# Altium PCB C210_220601.PcbDoc (part 3 of 7)
Units mm, origin at the board's own origin, x right, y up, seen from the top; angles counter-clockwise.
Board outline 68 x 129.5 mm, 6 copper layers (L1, L2, L3, L4, L5, L6), stack 1.64 mm thick; 493 components, 295 nets, 1739 pads, 1829 vias.
Unrouted connection lines stored in the file: 306.
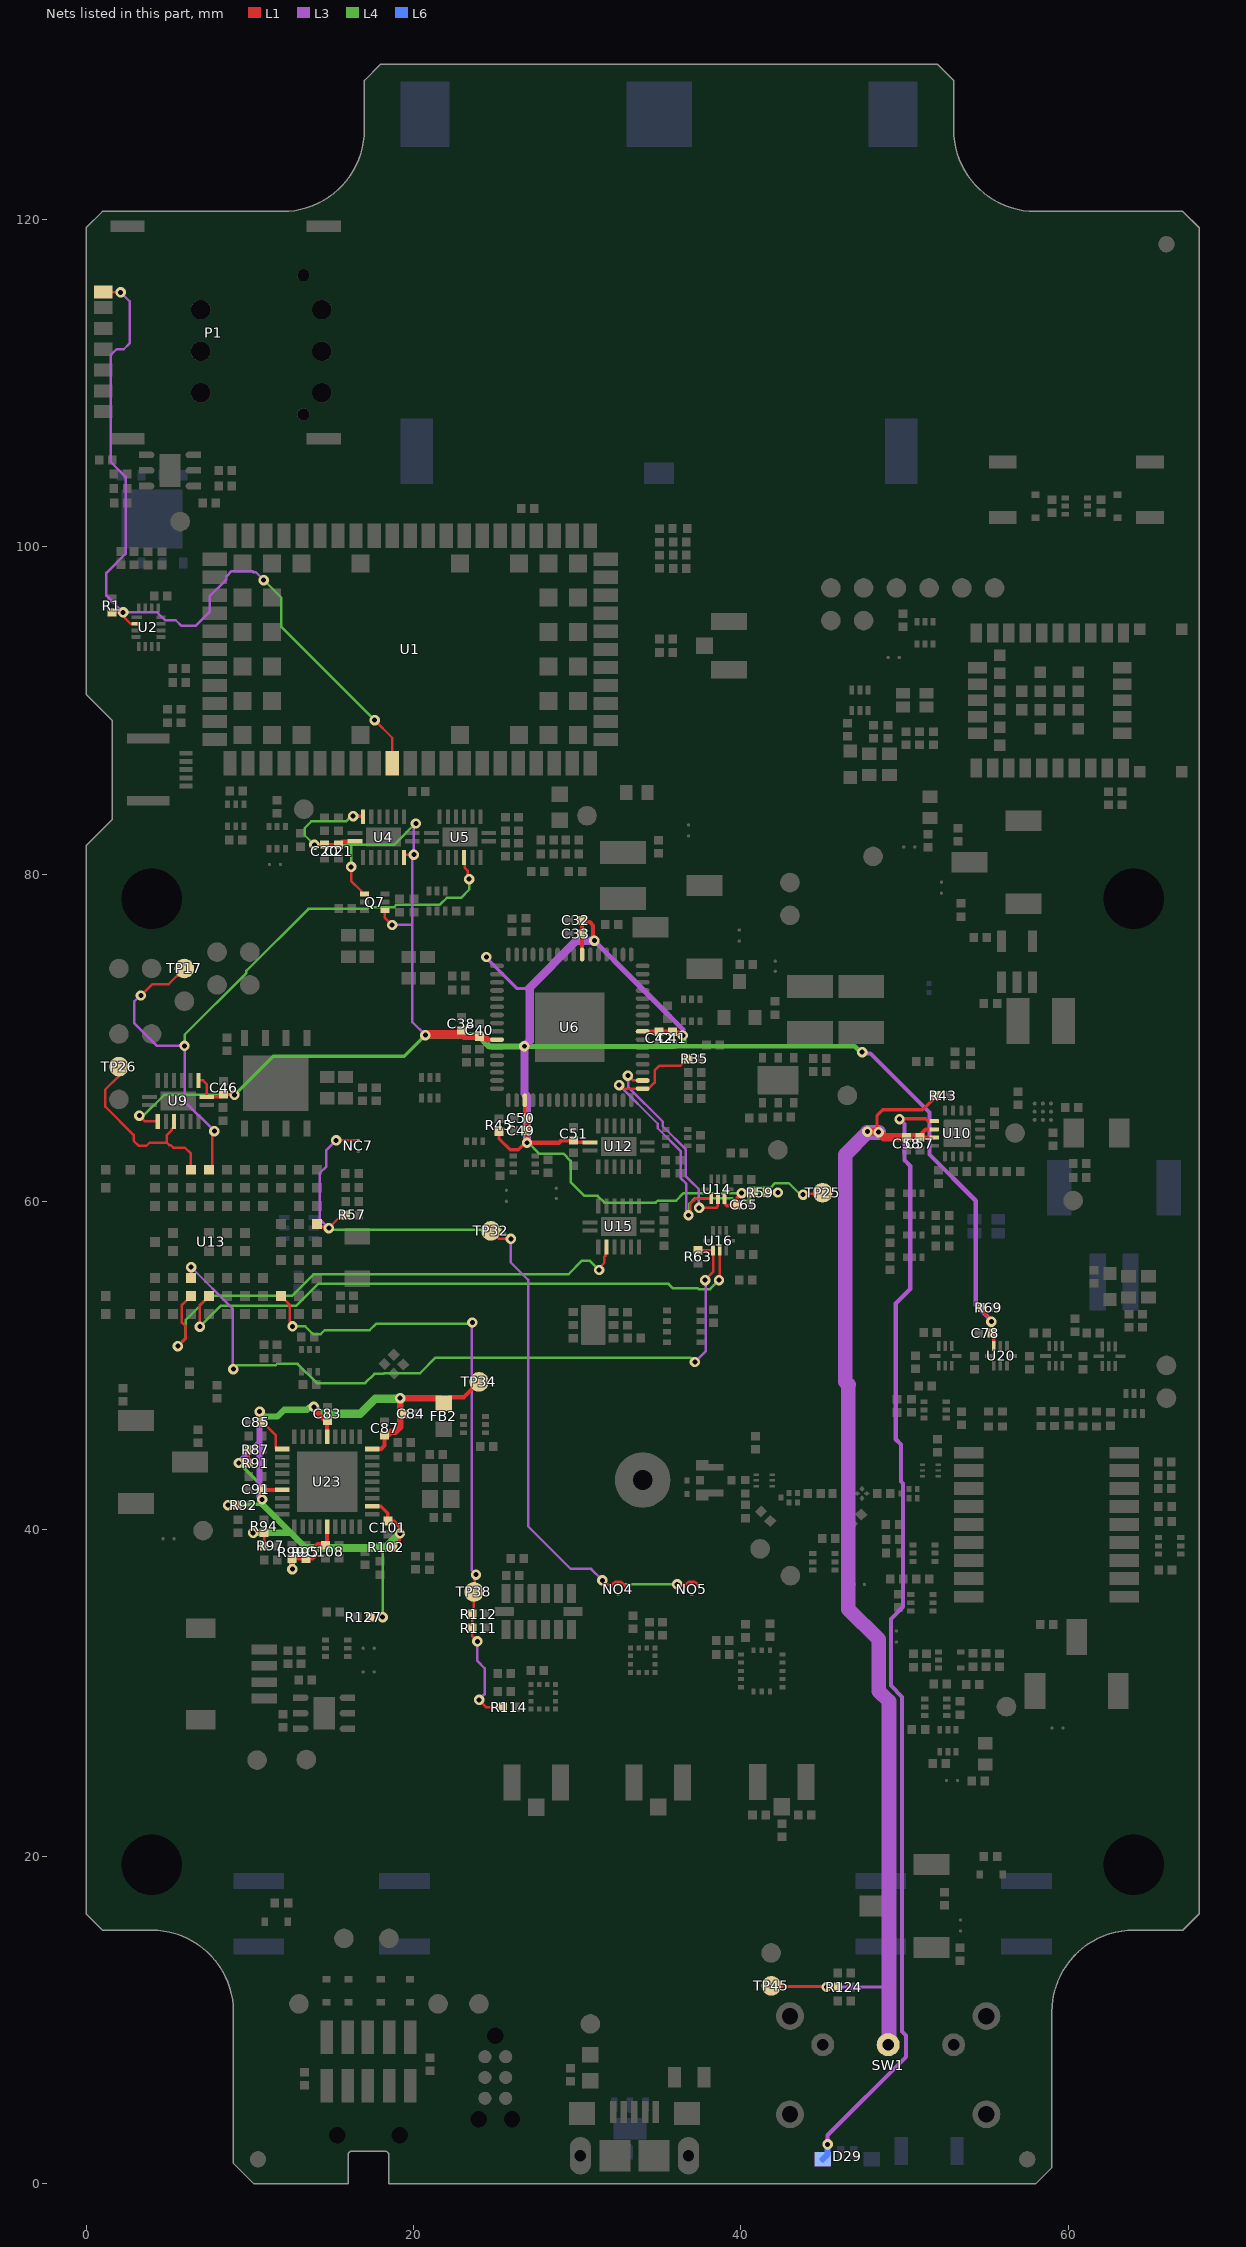
[diagram p7: the nets of this part, all layers, seen from the top]

## Via types
v1: diameter 0.635, hole 0.305, L1 to L6, tented both sides, 1829 vias

## Nets (pads, with @x,y where several pads share a name; then routed paths per layer and width w, separated by ;. In a path a pad name is that pad's centre, name@x,y a point inside that pad or via, vN(x,y) a via of type N, cw(c..) or ccw(c..) an arc to the next point about the centre after c; other vN are vias at no path point) (continued)
3V3_HUB: C83.1 C84.1 C85.1 C87.1 C91.1 C101.1 C108.1 FB2.1 R87.1 R91.2 R92.1 R94.1 R95.1 R97.1 R99.1 R102.1 R127.1 TP34.1 U23.5 U23.10 U23.15 U23.23 U23.29 U23.36 | length 70.2
  L1 w0.15: C101.1@18.429,40.497 C101.1@18.476,40.45 ; v1@19.139,39.787 19.139,39.734 v1(19.174,39.734)
  L1 w0.152: v1(8.671,41.467) R92.1@9.225,41.467 ; v1(9.325,44.043) 9.343,44.025 R91.2@9.95,44.025 R87.1@9.95,44.85 ; v1(10.2,39.776) 10.871,39.776 R94.1@10.877,39.783 R97.1@10.877,38.982 ; v1(10.6,47.175) 10.6,46.677 C85.1@10.756,46.52 10.812,46.52 11.6,45.732 11.6,44.947 11.65,44.897 U23.10@11.975,44.897 ; R127.1@17.367,34.625 v1(18.121,34.625) ; R102.1@18.75,38.9 19.174,39.324 v1(19.174,39.734)
  L1 w0.203: U23.29@17.475,41.397 18.003,41.397 18.429,40.971 C101.1@18.429,40.497 18.791,40.497 19.174,40.114 v1(19.174,39.734)
  L1 w0.254: v1(10.749,41.813) C91.1@10.75,42.423 10.776,42.397 U23.15@11.975,42.397 ; v1(12.601,37.55) 12.588,37.563 12.588,38.187 R99.1@12.575,38.2 R95.1@13.425,38.2 13.828,38.2 14,38.372 14,38.925 14.15,39.075 14.6,39.075 14.675,39 14.725,39.05 U23.23@14.725,40.147 ; v1(13.915,47.465) 13.915,47.362 14.184,47.092 14.184,47.016 14.566,46.634 C83.1@14.739,46.634 14.725,46.621 U23.5@14.725,45.647 ; U23.36@17.475,44.897 18.026,44.897 18.239,45.11 C87.1@18.239,45.748 ; FB2.1@21.856,47.788 22.129,48.061 23.087,48.061 TP34.1@23.997,48.971
  L1 w0.305: v1(12.601,37.55) v1@12.72,37.431
  L1 w0.381: C87.1@18.239,45.748 18.308,45.817 18.493,45.817 18.62,45.945 18.899,45.945 19.189,46.234 v1(19.189,47.999) 21.607,47.999 FB2.1@21.856,47.75
  L3 w0.381: v1(9.325,44.043) 10.6,45.318 ; v1(10.6,47.175) 10.6,45.318 ; v1(10.749,41.813) 10.6,41.963 10.6,45.318
  L4 w0.152: v1(18.121,34.625) 18.121,38.682 18.289,38.85
  L4 w0.203: v1(8.671,41.467) 8.729,41.526 v1@10.749,41.526 ; v1(9.325,44.043) 10.749,42.619 v1(10.749,41.813)
  L4 w0.381: v1(10.2,39.776) 12.499,39.776 ; v1(10.6,47.175) 10.9,46.875 11.675,46.875 12.1,47.3 13.494,47.3 13.61,47.416 13.866,47.416 v1(13.915,47.465) ; v1(10.749,41.813) 10.749,41.526 12.499,39.776 ; v1(12.601,37.55) 12.575,37.576 12.575,38 13.425,38.85 12.499,39.776
  L4 w0.508: 13.425,38.85 18.289,38.85 v1(19.174,39.734) ; v1(13.915,47.465) 14.332,47.047 16.745,47.047 17.661,47.962 18.865,47.962 18.877,47.975 19.164,47.975 v1(19.189,47.999)
3V3_SER: C20.1 C21.2 C32.1 C33.1 C38.2 C40.2 C41.1 C42.1 C46.1 C49.1 C50.1 C51.2 C65.2 C78.2 Q7.1 Q7.4 R45.1 R59.1 R69.1 TP25.1 U4.1 U4.7 U4.15 U6.3 U6.24 U6.39 U6.58 U9.1 U9.2 U9.10 U12.16 U14.8 U20.8 | length 179.5
  L1 w0.152: v1(3.254,65.258) 3.604,64.908 U9.10@4.375,64.908 ; U9.2@6.875,67.408 7.142,67.408 7.375,67.175 U9.1@7.375,66.408 ; v1(16.193,80.461) 16.193,79.607 16.801,78.999 16.801,78.874 16.875,78.8 Q7.4@17,78.8 ; Q7.1@18.25,77.8 18.25,77.34 18.68,76.91 v1(18.7,76.91) ; U4.7@19.422,81.025 19.422,81.174 19.451,81.203 v1(20.022,81.203) ; v1@20.096,83.151 v1(20.139,83.108) ; v1@24.363,74.861 v1(24.456,74.954) ; v1(40.052,60.527) 40.76,60.527 R59.1@40.79,60.557 ; v1(43.8,60.437) 43.857,60.493 44.943,60.493 TP25.1@45,60.55 ; R69.1@54.756,53.529 54.94,53.345 54.94,53.09 55.298,52.732 v1(55.298,52.677)
  L1 w0.2: R45.1@25.225,64.283 25.225,63.853 25.898,63.181 26.407,63.181 26.831,63.604 v1(26.934,63.604) v1@26.95,63.621 ; U6.3@26.8,66.208 26.8,65.258 C50.1@26.95,65.108
  L1 w0.203: U9.1@7.375,66.408 8.249,66.408 C46.1@8.399,66.558 8.409,66.547 9.058,66.547 v1(9.068,66.537) ; v1(13.947,81.8) C20.1@14.576,81.8 C21.2@15.425,81.8 15.65,82.025 U4.1@16.422,82.025 ; v1(16.313,83.557) 16.899,83.557 16.922,83.534 U4.15@16.922,83.525 ; C51.2@29.77,63.771 29.91,63.631 U12.16@30.786,63.631 ; U14.8@39,60.175 39,59.895 39.145,59.75 39.721,59.75 C65.2@39.775,59.804 39.775,60.28 40.022,60.527 v1(40.052,60.527) ; v1(55.298,52.677) 55.318,52.657 55.318,52.024 55.304,52.011 55.456,51.859 U20.8@55.456,51.179
  L1 w0.254: 22.903,70.208 22.928,70.233 23.078,70.083 ; 24.525,69.908 U6.58@25.1,69.908 ; v1(26.934,63.604) 28.881,63.604 29.025,63.748 29.747,63.748 C51.2@29.77,63.771 ; U6.39@30.3,75.108 C33.1@30.3,76.358 C32.1@30.3,77.183 30.402,77.081 30.772,77.081 30.972,76.881 30.972,75.972 31.023,75.922 v1(31.05,75.949) ; U6.24@34,70.408 34.978,70.408 C42.1@35.003,70.383 C41.1@35.828,70.383 35.842,70.368 36.144,70.368 36.353,70.16 v1(36.456,70.16)
  L1 w0.3: v1@26.95,63.621 26.954,63.624 C49.1@26.954,64.353 ; C49.1@26.95,64.283 C50.1@26.95,65.108
  L1 w0.381: 22.891,70.22 22.903,70.208 ; 23.078,70.083 C40.2@24.025,70.083 24.083,70.025 24.408,70.025 24.525,69.908
  L1 w0.508: v1(20.728,70.175) 20.85,70.175 20.915,70.24 22.871,70.24 22.891,70.22
  L3 w0.152: v1(18.7,76.91) 19.922,76.91 ; v1(20.139,83.108) 20.139,82.977 20.022,82.86 v1(20.022,81.203) 19.922,81.103 19.922,76.91 ; v1(20.728,70.175) 19.922,70.981 19.922,76.91
  L3 w0.203: v1(24.456,74.954) 24.456,74.906 26.337,73.024 27.045,73.024
  L3 w0.254: v1(47.406,69.137) 47.479,69.064 47.907,69.064 51.518,65.453 51.518,62.888 54.347,60.059 54.347,53.696 v1@55.297,52.746
  L3 w0.305: v1(31.05,75.949) 31.07,75.929 31.07,75.917 33.353,73.634 34.661,72.326 36.456,70.531 v1(36.456,70.16)
  L3 w0.508: v1(26.934,63.604) 26.934,66.462 26.778,66.618 v1(26.778,69.5) 27.097,69.82 27.097,73.077 ; 27.045,73.024 29.97,75.949 v1(31.05,75.949)
  L4 w0.152: v1(3.254,65.258) 3.498,65.258 4.777,66.537 v1(9.068,66.537) ; v1(16.193,80.461) 16.2,80.468 16.2,81.8 ; v1(16.313,83.557) 16.193,83.557 15.867,83.231 13.757,83.231 13.356,82.831 13.356,82.391 v1(13.947,81.8) 16.2,81.8 ; v1(20.139,83.108) 20.105,83.108 18.797,81.8 16.2,81.8 ; v1(26.934,63.604) 26.962,63.633 26.986,63.633 27.679,62.94 29.158,62.94 29.602,62.496 29.602,61.197 30.439,60.361 31.25,60.361 31.669,59.942 34.786,59.942 34.92,60.076 36.054,60.076 36.506,60.527 v1(40.052,60.527) 40.182,60.527 40.501,60.846 41.161,60.846 41.162,60.848 41.802,60.848 42.091,61.137 42.925,61.137 43.625,60.437 v1(43.8,60.437)
  L4 w0.203: v1(9.068,66.537) 11.426,68.895 19.448,68.895 v1(20.728,70.175)
  L4 w0.305: v1@26.731,69.486 26.731,69.5 v1(26.778,69.5) 26.792,69.486 35.853,69.486 ; v1@30.952,75.908 31.037,75.908 31.037,75.936 v1(31.05,75.949) ; 35.853,69.5 36.534,69.5 ; v1(36.456,70.16) 36.519,70.096 36.519,69.705 36.534,69.69 36.534,69.5 ; v1(47.406,69.137) 47.316,69.137 46.953,69.5 36.534,69.5
  L4 w0.381: v1(20.728,70.175) 23.95,70.175 24.639,69.486 v1@26.731,69.486
ACCEL_INT: R111.2 R112.2 R114.2 TP38.1 U13.C8 | length 39.1
  L1 w0.152: U13.C8@11.9,54.25 12.45,53.7 12.45,52.675 12.672,52.453 v1(12.608,52.389) ; v1(23.821,37.225) 23.757,37.161 23.757,36.224 TP38.1@23.692,36.16 23.692,34.917 R112.2@23.575,34.8 R111.2@23.575,33.95 23.575,33.474 v1(23.9,33.149) ; v1(24.008,29.575) 24.008,29.542 24.425,29.125 R114.2@25.45,29.125
  L3 w0.152: v1(23.592,52.622) 23.475,52.504 23.475,52.475 23.55,52.4 23.55,37.496 v1(23.821,37.225) ; v1(23.9,33.149) 23.9,31.95 24.35,31.5 24.35,29.917 v1(24.008,29.575)
  L4 w0.152: v1(12.608,52.389) 13.387,52.389 13.814,51.962 ; 13.815,51.963 13.874,51.904 14.326,51.904 14.572,52.15 17.325,52.15 17.733,52.558 23.528,52.558 v1(23.592,52.622)
ALT_INT: NC7.2 NO4.2 NO5.2 R57.2 TP32.1 U13.A4 | length 52.7
  L1 w0.152: v1(14.825,58.388) 15.429,58.992 R57.2@15.719,58.992 ; v1(15.275,63.75) 16.621,63.75 NC7.2@16.625,63.746 ; TP32.1@24.725,58.223 25.21,57.738 v1(25.943,57.738) ; v1(31.539,36.877) 31.791,36.625 32.147,36.625 NO4.2@32.5,36.625 ; v1(36.109,36.625) 36.647,36.625 NO5.2@37,36.625
  L1 w0.203: U13.A4@14.1,58.65 14.28,58.47 14.742,58.47 v1(14.825,58.388)
  L3 w0.152: v1(14.825,58.388) 14.27,58.943 14.27,61.743 14.675,62.148 14.675,63.15 v1(15.275,63.75) ; v1(25.943,57.738) 25.937,57.731 25.937,56.307 27.012,55.231 27.012,40.171 29.6,37.582 29.89,37.582 29.902,37.57 30.846,37.57 v1(31.539,36.877)
  L4 w0.152: v1(14.825,58.388) 14.918,58.295 25.346,58.295 25.902,57.738 v1(25.943,57.738) ; v1(31.539,36.877) 31.791,36.625 v1(36.109,36.625)
CARD_DET: P1.CD R1.1 U1.42 U2.2 | length 50.5
  L1 w0.152: P1.CD@1.045,115.57 1.053,115.562 v1(2.107,115.562) ; R1.1@1.575,96.025 1.598,96.002 v1(2.265,96.002) 2.281,95.986 2.162,95.866 2.728,95.3 U2.2@3.036,95.3 ; v1(17.622,89.425) 18.7,88.347 U1.42@18.7,86.8
  L3 w0.152: v1@2.099,115.57 v1(2.107,115.562) 2.656,115.014 2.656,112.435 2.301,112.08 1.864,112.08 1.496,111.712 1.496,105.208 2.419,104.285 2.419,99.594 1.24,98.415 1.24,97.027 v1(2.265,96.002) 4.348,96.002 4.825,95.525 5.475,95.525 5.825,95.175 6.679,95.175 7.54,96.036 7.54,96.99 8.567,98.017 8.567,98.205 8.886,98.525 10.153,98.525 10.222,98.456 10.369,98.456 v1(10.85,97.975)
  L4 w0.152: v1(10.85,97.975) 11.925,96.9 11.925,95.122 v1(17.622,89.425)
CHRG_N: D29.4 U10.9 | length 69.4
  L1 w0.203: v1(49.693,65.051) 49.722,65.08 51.295,65.08 51.452,64.923 U10.9@51.818,64.923
  L3 w0.254: v1(45.3,2.42) 45.3,2.974 50.089,7.763 50.089,9.075 49.85,9.314 49.85,29.75 49.163,30.437 49.163,34.519 49.9,35.256 49.9,42.789 49.784,42.905 49.784,45.172 49.463,45.493 49.463,53.788 50.35,54.675 50.35,62.188 50,62.538 50,64.744 v1(49.693,65.051)
  L6 w0.381: D29.4@45,1.5 45.3,1.8 v1(45.3,2.42)
CHRG_OUT: C57.1 C58.1 R43.2 R124.2 SW1.2 TP45.1 U10.10 U10.11 | length 77
  L1 w0.203: TP45.1@41.859,12.1 41.897,12.063 45.193,12.063 v1(45.231,12.025) R124.2@45.904,12.025 ; v1(48.416,64.257) 48.32,64.353 48.32,65.27 48.675,65.625 51.1,65.625 R43.2@51.965,66.49
  L1 w0.254: C58.1@50.121,63.94 C58.1@50.138,63.923 ; U10.11@51.818,63.923 50.94,63.923 C57.1@50.94,63.94 50.94,64.071 51.292,64.423 U10.10@51.818,64.423
  L1 w0.508: v1(47.73,64.283) 47.756,64.257 v1(48.416,64.257) 48.733,63.94 C58.1@50.121,63.94 C57.1@50.94,63.94
  L3 w0.203: v1(45.231,12.025) 49.05,12.025
  L3 w0.889: 46.575,48.81 46.364,49.021 ; v1(48.416,64.257) 48.406,64.247 48.406,64.231 47.73,64.231 46.364,62.865 46.364,49.021 ; SW1.2@49,8.5 49.05,8.55 49.05,12.025 49.05,29.475 48.416,30.109 48.416,33.275 46.573,35.118 46.573,48.809 46.364,49.017 46.364,49.021
CTS0: TP26.1 U9.12 U13.H1 | length 12
  L1 w0.152: TP26.1@2,68.25 2,67.677 1.171,66.848 1.171,65.815 2.904,64.083 2.904,63.728 3.224,63.408 3.676,63.408 3.873,63.604 4.932,63.604 ; U9.12@5.375,64.908 5.375,64.583 5.229,64.436 5.229,64.363 4.932,64.066 4.932,63.604 ; U13.H1@6.4,61.95 6.4,62.941 6.041,63.3 5.334,63.3 5.182,63.452 5.084,63.452 4.932,63.604
CTS4: TP17.1 U5.13 U13.G1 | length 41.2
  L1 w0.152: v1(3.348,72.6) 4.048,73.3 5.05,73.3 TP17.1@6,74.25 ; U13.G1@7.5,61.95 7.7,62.15 7.7,64.126 7.859,64.285 v1(7.835,64.31) ; U5.13@23.1,80.975 23.146,80.929 23.146,80.389 23.304,80.231 23.304,79.796 v1(23.396,79.704)
  L3 w0.152: v1(3.348,72.6) 3.3,72.6 2.949,72.249 2.949,70.894 4.325,69.518 v1(6.011,69.518) 6.011,66.134 v1(7.835,64.31)
  L4 w0.152: v1(6.011,69.518) 6.011,70.202 9.793,73.984 9.793,74.114 13.576,77.897 17.132,77.897 17.222,77.987 18.8,77.987 18.963,78.15 21.612,78.15 22.031,78.569 22.894,78.569 23.406,79.081 23.406,79.694 v1(23.396,79.704)
CTS6: U13.H8 U15.11 | length 34
  L1 w0.152: v1(5.601,51.175) 6.095,51.669 6.095,52.371 5.85,52.616 5.85,53.7 U13.H8@6.4,54.25 ; v1(31.336,55.831) 31.336,55.942 31.654,56.26 31.654,56.63 31.738,56.714 31.738,57.193 U15.11@31.786,57.242
  L4 w0.152: v1(5.601,51.175) 6.095,51.669 6.095,52.789 7.551,54.245 12.576,54.245 13.916,55.585 29.483,55.585 30.303,56.405 30.762,56.405 v1(31.336,55.831)
DSR2: R35.2 R59.2 U6.17 U14.6 | length 24.7
  L1 w0.152: v1(32.56,67.125) 32.778,66.908 U6.17@34,66.908 34.358,66.908 34.731,67.281 34.731,68.031 35,68.3 36.283,68.3 36.708,68.725 R35.2@36.775,68.725 ; v1(36.802,59.175) 36.908,59.175 36.908,59.863 37.22,60.175 U14.6@38.2,60.175 ; R59.2@41.59,60.557 42.248,60.557 v1(42.257,60.567)
  L3 w0.152: v1(32.56,67.125) 34.922,64.764 34.922,64.488 36.339,63.07 36.339,61.428 36.63,61.137 36.656,61.111 36.656,59.321 v1(36.802,59.175)
  L4 w0.152: v1(36.802,59.175) 36.855,59.228 36.855,59.875 37.202,60.223 39.452,60.223 39.719,59.956 40.261,59.956 40.872,60.567 v1(42.257,60.567)
DSR6: R63.2 U13.H7 U16.6 | length 45.7
  L1 w0.152: U13.H7@6.4,55.35 6.421,55.371 v1(6.421,56) ; R63.2@37.392,57.05 37.417,57.025 U16.6@38.3,57.025 38.3,55.713 37.822,55.235 v1(37.822,55.208)
  L3 w0.152: v1(6.421,56) 8.95,53.471 8.95,49.824 9,49.774 v1(9,49.769) ; v1(37.19,50.212) 37.839,50.861 37.839,55.191 v1(37.822,55.208)
  L4 w0.152: v1(9,49.769) 9.241,50.011 11.587,50.011 11.675,50.098 12.921,50.098 14.094,48.925 17.05,48.925 17.614,49.489 18.164,49.489 18.213,49.537 19.084,49.537 20.412,49.537 21.353,50.478 33.423,50.478 36.925,50.478 v1(37.19,50.212)
DTR2: U6.18 U14.7 | length 12.5
  L1 w0.152: v1(33.094,67.704) 33.11,67.704 33.407,67.408 U6.18@34,67.408 ; v1(37.454,59.629) 38.504,59.629 38.6,59.725 U14.7@38.6,60.175
  L3 w0.152: v1(33.094,67.704) 33.094,67.364 33.107,67.352 33.107,67.01 35.226,64.891 35.226,64.614 36.644,63.196 36.644,61.554 36.935,61.263 ; 36.935,61.263 37.425,60.773 37.425,59.658 v1(37.454,59.629)
DTR6: U13.G8 U16.7 | length 37.1
  L1 w0.152: v1(6.946,52.368) 6.946,53.696 U13.G8@7.5,54.25 ; v1(38.665,55.208) 38.7,55.243 U16.7@38.7,57.025
  L4 w0.152: v1(6.946,52.368) 6.946,52.371 8.211,53.636 12.829,53.636 14.173,54.98 23.427,54.98 35.526,54.98 35.531,54.976 35.58,54.976 35.851,54.705 37.379,54.705 37.392,54.692 37.395,54.692 37.425,54.662 38.119,54.662 v1(38.665,55.208)